# Altium PCB PCB_PEEB.pcbdoc
Units mm, origin at the board's own origin, x right, y up, seen from the top; angles counter-clockwise.
Board outline 301.74 x 183.36 mm, 2 copper layers (Top Layer, Bottom Layer); 99 components, 77 nets, 226 pads, 40 vias.
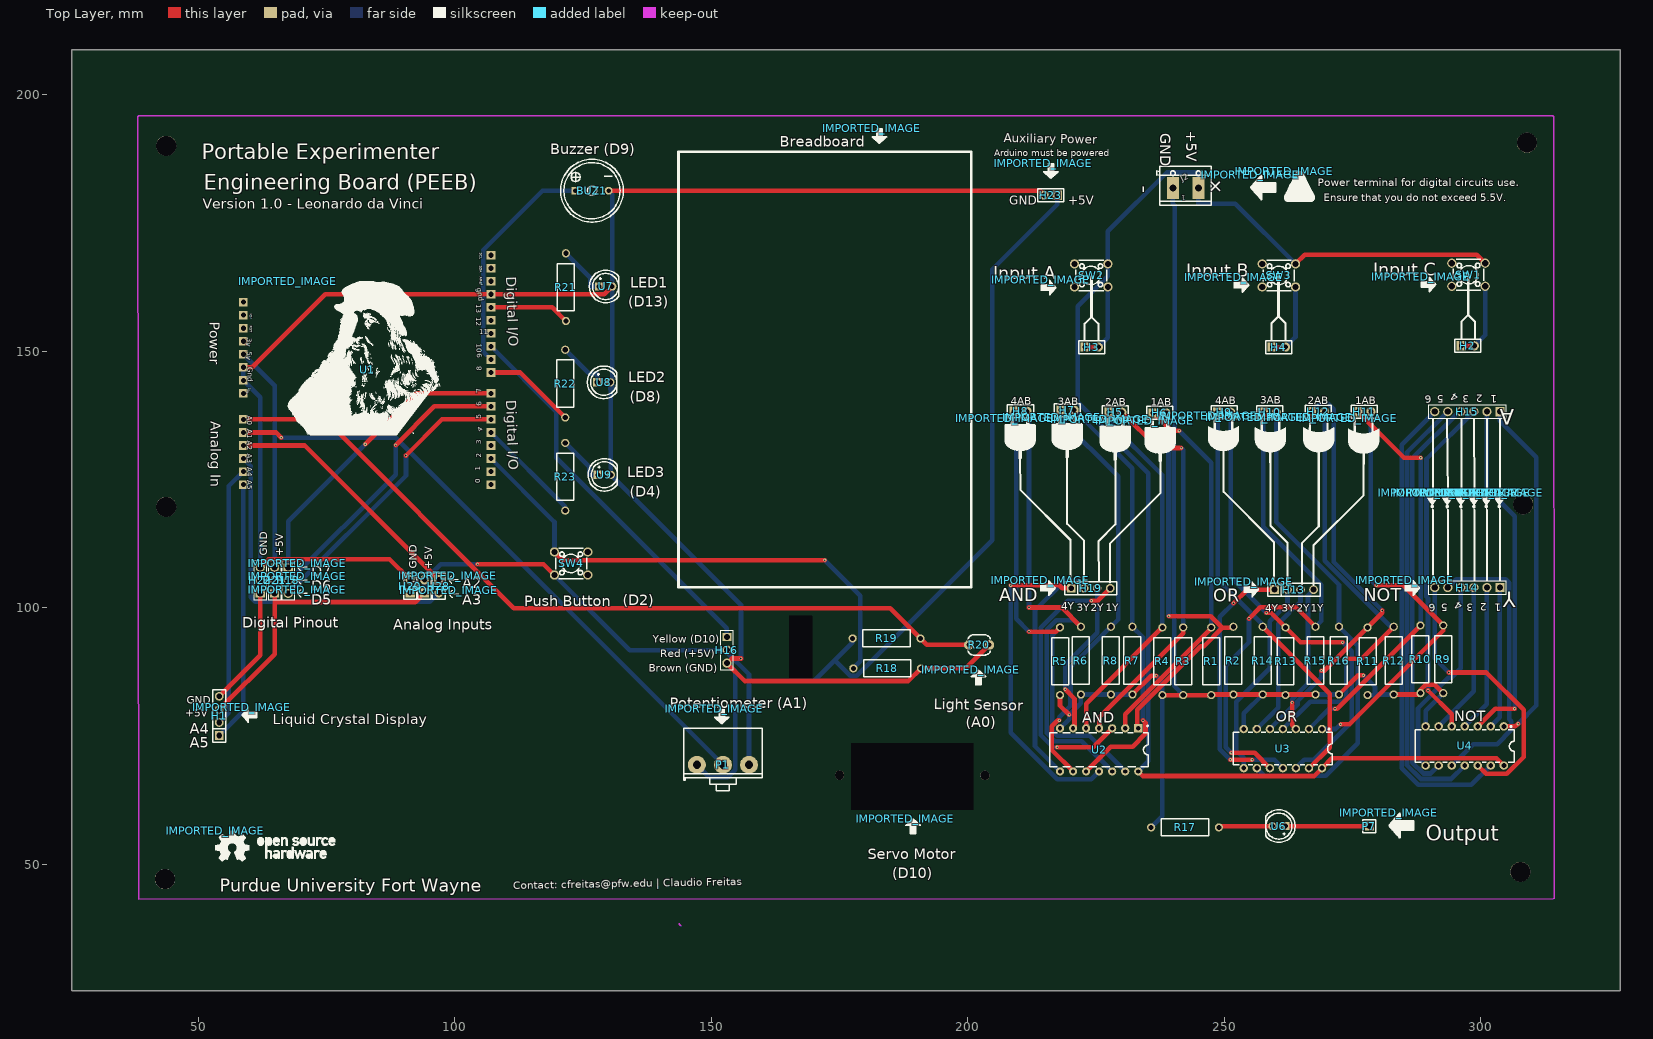
[diagram p0: Top Layer view]
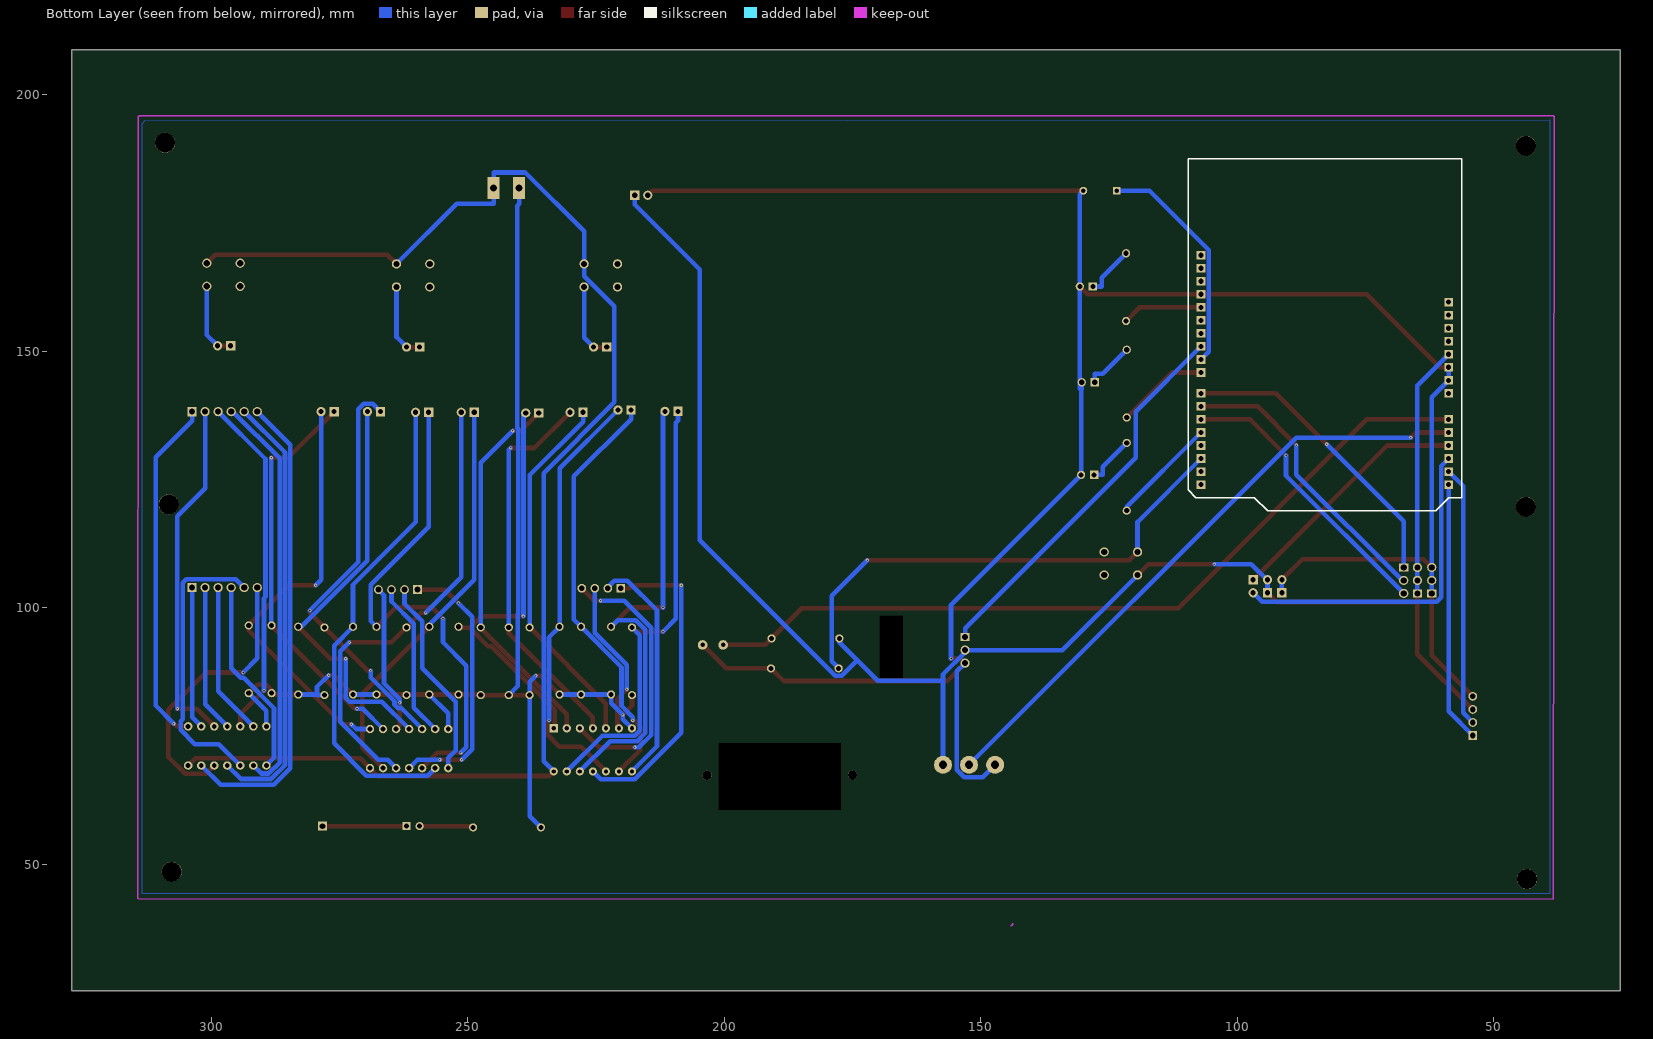
[diagram p1: Bottom Layer view, seen from below]

## Layer stack, top to bottom
Top Layer: signal copper (thickness not stored)
Dielectric: dielectric 0.32, FR-4, Dk 4.8
Bottom Layer: signal copper (thickness not stored)

## Board outline
327.137,25.4 25.4,25.4 25.4,208.758 327.137,208.758
cut-out: 177.311,73.611 177.311,60.657 201.06,60.53 201.06,73.611
cut-out: 165.246,98.503 165.246,86.438 169.691,86.438 169.691,98.503

## Components (designator, comment, footprint, x,y, rotation, side; value= is the part's Value field where it differs from the comment)
BUZ1 "CHENZJ1:BUZZER_12X9.5RM6.5" BUZ-TH_BD12.0-P6.50-D0.6_SEA-1285F 126.765,181.307 r0 top
H1 "Header-Male-2.54_1x4" HDR-TH_4P-P2.54-V-M 54.121,78.945 r90 top
H2 "Header-Male-2.54_1x2" HDR-TH_2P-P2.54-V-M-1 297.453,151.081 r0 top
H3 "Header-Male-2.54_1x2" HDR-TH_2P-P2.54-V-M-1 224.174,150.827 r0 top
H4 "Header-Male-2.54_1x2" HDR-TH_2P-P2.54-V-M-1 260.623,150.827 r0 top
H5 "Header-Male-2.54_1x2" HDR-TH_2P-P2.54-V-M-1 228.774,138.119 r0 top
H6 "Header-Male-2.54_1x2" HDR-TH_2P-P2.54-V-M-1 237.41,137.992 r0 top
H7 "Header-Male-2.54_1x2" HDR-TH_2P-P2.54-V-M-1 219.424,138.563 r0 top
H8 "Header-Male-2.54_1x2" HDR-TH_2P-P2.54-V-M-1 210.28,138.309 r0 top
H9 "Header-Male-2.54_1x2" HDR-TH_2P-P2.54-V-M-1 249.983,138.119 r0 top
H10 "Header-Male-2.54_1x2" HDR-TH_2P-P2.54-V-M-1 258.873,138.119 r0 top
H11 "Header-Male-2.54_1x2" HDR-TH_2P-P2.54-V-M-1 277.288,138.246 r0 top
H12 "Header-Male-2.54_1x2" HDR-TH_2P-P2.54-V-M-1 268.271,138.246 r0 top
H13 "Header-Male-2.54_1x4_C59481" HDR-TH_4P-P2.54-V-M 263.572,103.575 r0 top
H14 "Header-Male-2.54_1x6" HDR-TH_6P-P2.54-V-M-1 297.354,103.956 r180 top
H15 "Header-Male-2.54_1x6" HDR-TH_6P-P2.54-V-M-1 297.354,138.246 r180 top
H16 "Servo Connection" HDR-TH_3P-P2.54-V-M-1 153.054,91.772 r270 top
H17 "Analog-GND1" HDR-TH_2P-P2.54-V-M-1 94.126,104.218 r90 top
H18 "Digital Header 2" HDR-TH_3P-P2.54-V-M-1 67.583,105.361 r270 top
H19 "Header-Male-2.54_1x4_C59481" HDR-TH_4P-P2.54-V-M 223.948,103.829 r0 top
H20 "Analog-GND2" HDR-TH_2P-P2.54-V-M-1 91.332,104.218 r90 top
H21 "Vcc header" HDR-TH_3P-P2.54-V-M-1 64.916,105.361 r90 top
H22 "GND header 3" HDR-TH_3P-P2.54-V-M-1 62.122,105.361 r90 top
H23 "Header-Male-2.54_1x2" HDR-TH_2P-P2.54-V-M-1 216.173,180.418 r180 top
H28 "Analog-Male-2.54_1x2" HDR-TH_2P-P2.54-V-M-1 96.92,104.218 r270 top
IMPORTED_IMAGE "IMPORTED_IMAGE" IMPORTED_IMAGE 246.828,137.42 r0 top
IMPORTED_IMAGE "IMPORTED_IMAGE" IMPORTED_IMAGE 207.209,136.997 r0 top
IMPORTED_IMAGE "IMPORTED_IMAGE" IMPORTED_IMAGE 289.514,122.472 r0 top
IMPORTED_IMAGE "IMPORTED_IMAGE" IMPORTED_IMAGE 216.376,137.166 r0 top
IMPORTED_IMAGE "IMPORTED_IMAGE" IMPORTED_IMAGE 225.726,136.722 r0 top
IMPORTED_IMAGE "IMPORTED_IMAGE" IMPORTED_IMAGE 234.489,136.468 r0 top
IMPORTED_IMAGE "IMPORTED_IMAGE" IMPORTED_IMAGE 255.972,137.166 r0 top
IMPORTED_IMAGE "IMPORTED_IMAGE" IMPORTED_IMAGE 265.39,137.17 r0 top
IMPORTED_IMAGE "IMPORTED_IMAGE" IMPORTED_IMAGE 274.153,136.916 r0 top
IMPORTED_IMAGE "IMPORTED_IMAGE" IMPORTED_IMAGE 292.435,122.472 r0 top
IMPORTED_IMAGE "IMPORTED_IMAGE" IMPORTED_IMAGE 297.642,122.472 r0 top
IMPORTED_IMAGE "IMPORTED_IMAGE" IMPORTED_IMAGE 295.102,122.472 r0 top
IMPORTED_IMAGE "IMPORTED_IMAGE" IMPORTED_IMAGE 300.055,122.472 r0 top
IMPORTED_IMAGE "IMPORTED_IMAGE" IMPORTED_IMAGE 302.595,122.472 r0 top
IMPORTED_IMAGE "IMPORTED_IMAGE" IMPORTED_IMAGE 214.245,163.909 r0 top
IMPORTED_IMAGE "IMPORTED_IMAGE" IMPORTED_IMAGE 251.837,164.417 r0 top
IMPORTED_IMAGE "IMPORTED_IMAGE" IMPORTED_IMAGE 288.286,164.544 r0 top
IMPORTED_IMAGE "IMPORTED_IMAGE" IMPORTED_IMAGE 53.372,56.599 r0 top
IMPORTED_IMAGE "IMPORTED_IMAGE" IMPORTED_IMAGE 69.304,103.584 r0 top
IMPORTED_IMAGE "IMPORTED_IMAGE" IMPORTED_IMAGE 69.304,106.124 r0 top
IMPORTED_IMAGE "IMPORTED_IMAGE" IMPORTED_IMAGE 69.304,108.664 r0 top
IMPORTED_IMAGE "IMPORTED_IMAGE" IMPORTED_IMAGE 98.698,106.25 r0 top
IMPORTED_IMAGE "IMPORTED_IMAGE" IMPORTED_IMAGE 98.825,103.456 r0 top
IMPORTED_IMAGE "IMPORTED_IMAGE" IMPORTED_IMAGE 67.458,163.675 r0 top
IMPORTED_IMAGE "IMPORTED_IMAGE" IMPORTED_IMAGE 261.643,185.12 r0 top
IMPORTED_IMAGE "IMPORTED_IMAGE" IMPORTED_IMAGE 255.075,184.442 r0 top
IMPORTED_IMAGE "IMPORTED_IMAGE" IMPORTED_IMAGE 282.007,60.073 r0 top
IMPORTED_IMAGE "IMPORTED_IMAGE" IMPORTED_IMAGE 181.272,193.475 r0 top
IMPORTED_IMAGE "IMPORTED_IMAGE" IMPORTED_IMAGE 200.576,87.938 r0 top
IMPORTED_IMAGE "IMPORTED_IMAGE" IMPORTED_IMAGE 150.564,80.365 r0 top
IMPORTED_IMAGE "IMPORTED_IMAGE" IMPORTED_IMAGE 187.85,58.934 r0 top
IMPORTED_IMAGE "IMPORTED_IMAGE" IMPORTED_IMAGE 58.487,80.596 r0 top
IMPORTED_IMAGE "IMPORTED_IMAGE" IMPORTED_IMAGE 214.699,186.664 r0 top
IMPORTED_IMAGE "IMPORTED_IMAGE" IMPORTED_IMAGE 214.118,105.362 r0 top
IMPORTED_IMAGE "IMPORTED_IMAGE" IMPORTED_IMAGE 253.742,105.108 r0 top
IMPORTED_IMAGE "IMPORTED_IMAGE" IMPORTED_IMAGE 285.111,105.362 r0 top
J2 "CON_TERMINAL_BLOCK_02-5MM" TERMINAL_BLOCK_2P_5 242.462,181.815 r0 top
P1 "10k" POTENTIOMETER 152.292,69.42 r0 top
P7 "Header-Male-2.54_1x1" HDR-TH_1P-P2.54-V-M 278.276,57.482 r0 top
R1 "10kΩ" RES-TH_BD3.3-L9.2-P13.20-D0.6 247.443,89.605 r270 top
R2 "10kΩ" RES-TH_BD3.3-L9.2-P13.20-D0.6 251.761,89.732 r90 top
R3 "10kΩ" RES-TH_BD3.3-L9.2-P13.20-D0.6 241.982,89.605 r90 top
R4 "10kΩ" RES-TH_BD3.3-L9.2-P13.20-D0.6 237.918,89.605 r90 top
R5 "10kΩ" RES-TH_BD3.3-L9.2-P13.20-D0.6 217.979,89.605 r270 top
R6 "10kΩ" RES-TH_BD3.3-L9.2-P13.20-D0.6 222.043,89.732 r270 top
R7 "10kΩ" RES-TH_BD3.3-L9.2-P13.20-D0.6 232.076,89.732 r270 top
R8 "10kΩ" RES-TH_BD3.3-L9.2-P13.20-D0.6 227.885,89.732 r270 top
R9 "10kΩ" RES-TH_BD3.3-L9.2-P13.20-D0.6 292.655,89.986 r90 top
R10 "10kΩ" RES-TH_BD3.3-L9.2-P13.20-D0.6 288.21,89.986 r90 top
R11 "10kΩ" RES-TH_BD3.3-L9.2-P13.20-D0.6 277.923,89.605 r90 top
R12 "10kΩ" RES-TH_BD3.3-L9.2-P13.20-D0.6 283.003,89.732 r90 top
R13 "10kΩ" RES-TH_BD3.3-L9.2-P13.20-D0.6 261.921,89.605 r270 top
R14 "10kΩ" RES-TH_BD3.3-L9.2-P13.20-D0.6 257.476,89.732 r270 top
R15 "10kΩ" RES-TH_BD3.3-L9.2-P13.20-D0.6 267.763,89.732 r270 top
R16 "10kΩ" RES-TH_BD3.3-L9.2-P13.20-D0.6 272.335,89.732 r270 top
R17 "220" RES-TH_BD3.3-L9.2-P13.20-D0.6 242.335,57.228 r0 top
R18 "10kΩ" RES-TH_BD3.3-L9.2-P13.20-D0.6 184.296,88.216 r0 top
R19 "10kΩ" RES-TH_BD3.3-L9.2-P13.20-D0.6 184.169,94.058 r0 top
R20 "PHOTOCELLPTH-KIT" PHOTOCELL-KIT 202.203,92.788 r0 top
R21 "220" RES-TH_BD3.3-L9.2-P13.20-D0.6 121.685,162.511 r90 top
R22 "220" RES-TH_BD3.3-L9.2-P13.20-D0.6 121.558,143.715 r90 top
R23 "220" RES-TH_BD3.3-L9.2-P13.20-D0.6 121.558,125.554 r90 top
SW1 "TC-6610-6-260G" SW-TH_4P-L6.0-W6.0-P4.50-LS6.5 297.58,164.924 r0 top
SW2 "TC-6610-6-260G" SW-TH_4P-L6.0-W6.0-P4.50-LS6.5 224.047,164.797 r0 top
SW3 "TC-6610-6-260G" SW-TH_4P-L6.0-W6.0-P4.50-LS6.5 260.623,164.797 r0 top
SW4 "TC-6610-6-260G" SW-TH_4P-L6.0-W6.0-P4.50-LS6.5 122.701,108.663 r180 top
U1 "ARDUINOR3" ARDUINOR3-BPLACE 82.95,146.382 r270 top
U2 "SN74HC08N" DIP-14_L19.2-W6.6-P2.54-LS10.9-BL 225.599,72.333 r180 top
U3 "SN74HC32N" DIP-14 261.413,72.587 r180 top
U4 "SN74HC04N" DIP-14 296.846,73.095 r180 top
U6 "SFH 313 FA-2/3" LED-TH_BD5.8-P2.54-FD 260.623,57.482 r180 top
U7 "SFH 313 FA-2/3" LED-TH_BD5.8-P2.54-FD 129.432,162.638 r0 top
U8 "SFH 313 FA-2/3" LED-TH_BD5.8-P2.54-FD 129.051,143.969 r0 top
U9 "SFH 313 FA-2/3" LED-TH_BD5.8-P2.54-FD 129.178,125.935 r0 top

## Footprints (in the part's own frame and the unit in brackets; to place one, negate y for a bottom-side part, rotate by r counter-clockwise, add the part's x,y. Pads: shape width x height; smd on the part's side, far side on the other; paste and mask are expansions set on the pad)
ARDUINOR3-BPLACE [mil]
  rect 66x66 hole 39.4 paste+0 mask+2: 3V(-220,-950) 5V(-120,-950) A0(380,-950) A1(480,-950) A2(580,-950) A3(680,-950) A4(780,-950) A5(880,-950) AREF(-680,950) D0(880,950) D1(780,950) D2(680,950) D3(580,950) D4(480,950) D5(380,950) D6(280,950) D7(180,950) D8(20,950) D9(-80,950) D10(-180,950) D11(-280,950) D12(-380,950) D13(-480,950) GND(-580,950) GND1(80,-950) GND2(-20,-950) IOREF(-420,-950) RESERVED(-520,-950) RESET(-320,-950) SCL(-880,950) SDA(-780,950) VIN(180,-950)
BUZ-TH_BD12.0-P6.50-D0.6_SEA-1285F [mil]
  rect 60x60 hole 36 paste+0 mask+1.97: 1(-127.95,0)
  round 60 hole 36 paste+0 mask+1.97: 2(127.95,0)
  silkscreen extent -241,-241 241,241
DIP-14 [mm]
  round 1.65 hole 0.95 paste+0 mask+0.051: 1(-7.62,-3.81) 2(-5.08,-3.81) 3(-2.54,-3.81) 4(0,-3.81) 5(2.54,-3.81) 6(5.08,-3.81) 7(7.62,-3.81) 8(7.62,3.81) 9(5.08,3.81) 10(2.54,3.81) 11(0,3.81) 12(-2.54,3.81) 13(-5.08,3.81) 14(-7.62,3.81)
  silkscreen extent -9.65,-3.96 9.65,3.17
DIP-14_L19.2-W6.6-P2.54-LS10.9-BL [mil]
  rect 63x63 hole 32 paste+0 mask+2: 1(-300,-165.35)
  round 63 hole 32 paste+0 mask+2: 2(-200,-165.35) 3(-100,-165.35) 4(0,-165.35) 5(100,-165.35) 6(200,-165.35) 7(300,-165.35) 8(300,165.35) 9(200,165.35) 10(100,165.35) 11(0,165.35) 12(-100,165.35) 13(-200,165.35) 14(-300,165.35)
  silkscreen extent -378,-189 378,130
HDR-TH_1P-P2.54-V-M [mm]
  rect 1.7x1.7 hole 1.1 paste+0 mask+0.051: 1(0,0)
  silkscreen extent -1.27,-1.27 1.27,1.27
HDR-TH_2P-P2.54-V-M-1 [mm]
  rect 1.8x1.8 hole 1 paste+0 mask+0.051: 1(-1.27,0)
  round 1.8 hole 1 paste+0 mask+0.051: 2(1.27,0)
  silkscreen extent -2.54,-1.27 2.54,1.27
HDR-TH_3P-P2.54-V-M-1 [mm]
  rect 1.575x1.8 hole 1.2 paste+0 mask+0.051: 1(-2.54,0)
  round 1.8 hole 1.2 paste+0 mask+0.051: 2(0,0) 3(2.54,0)
  silkscreen extent -3.81,-1.27 3.81,1.27
HDR-TH_4P-P2.54-V-M [mm]
  rect 1.7x1.7 hole 1.1 paste+0 mask+0.051: 1(-3.81,0)
  round 1.7 hole 1.1 paste+0 mask+0.051: 2(-1.27,0) 3(1.27,0) 4(3.81,0)
  silkscreen extent -5.08,-1.27 5.08,1.27
HDR-TH_6P-P2.54-V-M-1 [mm]
  rect 1.8x1.8 hole 1.2 paste+0 mask+0.051: 1(-6.35,0)
  round 1.8 hole 1.2 paste+0 mask+0.051: 2(-3.81,0) 3(-1.27,0) 4(1.27,0) 5(3.81,0) 6(6.35,0)
  silkscreen extent -7.62,-1.27 7.62,1.27
IMPORTED_IMAGE [mm]
  silkscreen extent 0,-9 6,0
LED-TH_BD5.8-P2.54-FD [mm]
  rect 1.6x1.6 hole 1 paste+0 mask+0.051: 1(-1.27,0)
  round 1.6 hole 1 paste+0 mask+0.051: 2(1.27,0)
  silkscreen extent -3.17,-3.17 2.54,3.17
PHOTOCELL-KIT [mil]
  round 74 hole 35.4 paste+0 mask+2: 1(-79,0) 2(79,0)
  silkscreen extent -87,-79 87,79
POTENTIOMETER [mm]
  round 3.5 hole 1.6 paste+0 mask+0.051: 1(5.08,0) 2(0,0) 3(-5.08,0)
  silkscreen extent -7.62,-5.08 7.62,7.11
RES-TH_BD3.3-L9.2-P13.20-D0.6 [mm]
  round 1.6 hole 1 paste+0 mask+0.051: 1(-6.6,0) 2(6.6,0)
  silkscreen extent -4.6,-1.65 4.6,1.65
SW-TH_4P-L6.0-W6.0-P4.50-LS6.5 [mm]
  round 1.8 hole 1.2 paste+0 mask+0.051: 1(-3.25,2.25) 2(3.25,2.25) 3(-3.25,-2.25) 4(3.25,-2.25)
  silkscreen extent -3,-3 3,3
TERMINAL_BLOCK_2P_5 [mm]
  rect 2.38x4.285 hole 1.402 paste+0 mask+0.051: 1(2.489,0) 2(-2.489,0)
  silkscreen extent -5.59,-3.3 5,4.22

## Free pads (board coordinates)
  round 3.92 hole 3.92 unplated paste+0: ""(43.546,47.161) ""(43.8,119.678) ""(43.8,190.036) ""(307.706,48.558) ""(308.214,120.186) ""(308.976,190.671)
  round 1.8 hole 1.8 unplated paste+0: ""(175.025,67.388) ""(203.346,67.388)

## Via types
v1: diameter 0.61, hole 0.305, Top Layer to Bottom Layer, tented both sides, 40 vias

## Nets (pads, with @x,y where several pads share a name; then routed paths per layer and width w, separated by ;. In a path a pad name is that pad's centre, name@x,y a point inside that pad or via, vN(x,y) a via of type N, cw(c..) or ccw(c..) an arc to the next point about the centre after c; other vN are vias at no path point)
+5V: H1.3 H16.2 H17.1 H17.2 H21.1 H21.2 H21.3 H23.1 P1.1 R19.1 SW4.2 U1.5V | length 340.1
  Top Layer w0.9: H1.3@54.121,80.214 64.916,91.009 64.916,101.143 ; H21.1@64.916,102.82 64.916,101.143 ; H17.1@94.126,102.947 92.321,101.143 64.916,101.143 ; v1(104.466,108.545) 117.319,108.545 SW4.2
  Bottom Layer w0.9: U1.5V@58.82,149.429 64.916,143.333 64.916,107.9 64.916,105.36 H21.1@64.916,102.82 ; H17.1@94.126,102.947 H17.2@94.126,104.782 ; H17.2@94.126,105.487 H17.2@94.126,104.782 ; v1(104.466,108.545) 97.273,108.545 94.126,105.398 H17.2@94.126,104.782 ; SW4.2 134.092,91.771 153.054,91.771 153.054,91.399 157.372,87.081 157.372,85.833 ; P1.1@157.372,69.419 157.372,85.833 ; R19.1 177.569,93.312 174.055,89.797 ; H23.1@217.443,180.417 217.443,178.617 204.78,165.954 204.78,113.182 178.377,86.779 177.073,86.779 174.055,89.797 ; 157.372,85.833 170.091,85.833 174.055,89.797
A0: R19.2 R20.1 U1.A0 | length 159.6
  Top Layer w0.9: U1.A0@58.82,136.729 74.791,136.729 111.555,99.965 184.861,99.965 R19.2 192.039,92.787 R20.1@200.196,92.787
A1: P1.2 U1.A1 | length 120.3
  Top Layer w0.9: U1.A1@58.82,134.189 65.227,134.189 v1(66.22,133.196)
  Bottom Layer w0.9: v1(66.22,133.196) 88.515,133.196 P1.2@152.292,69.419
A2: H28.1 U1.A2 | length 48.9
  Top Layer w0.9: U1.A2@58.82,131.649 70.758,131.649 H28.1@96.92,105.487
A3: H28.2 U1.A3 | length 65.4
  Bottom Layer w0.9: U1.A3@58.82,129.109 60.278,127.652 60.278,102.082 61.15,101.21 95.183,101.21 H28.2@96.92,102.947
A4: H1.2 U1.A4 | length 50.8
  Bottom Layer w0.9: H1.2@54.121,77.674 56.016,79.57 56.016,123.766 U1.A4@58.82,126.569
A5: H1.1 U1.A5 | length 50.8
  Bottom Layer w0.9: H1.1@54.121,75.134 58.82,79.833 U1.A5@58.82,124.029
D2: R18.1 SW4.4 U1.D2 | length 101.2
  Top Layer w0.9: SW4.4 121.039,109.325 v1(172.132,109.325)
  Bottom Layer w0.9: U1.D2@107.08,129.109 119.451,116.738 SW4.4 ; v1(172.132,109.325) 179.067,102.39 179.067,89.587 R18.1
D4: R23.1 U1.D4 | length 21.2
  Bottom Layer w0.9: U1.D4@107.08,134.189 121.558,119.711 R23.1@121.558,118.954
D5: H18.3 U1.D5 | length 55.9
  Top Layer w0.9: v1(90.516,129.706) 97.54,136.729 U1.D5@107.08,136.729
  Bottom Layer w0.9: H18.3@67.583,102.82 90.516,125.753 v1(90.516,129.706)
D6: H18.2 U1.D6 | length 56.9
  Top Layer w0.9: v1(88.49,131.731) 96.029,139.269 U1.D6@107.08,139.269
  Bottom Layer w0.9: H18.2@67.583,105.36 67.884,105.36 88.49,125.967 v1(88.49,131.731)
D7: H18.1 U1.D7 | length 58.8
  Top Layer w0.9: v1(82.573,131.893) 92.49,141.809 U1.D7@107.08,141.809
  Bottom Layer w0.9: H18.1@67.583,107.9 67.583,116.903 v1(82.573,131.893)
D8: R22.1 U1.D8 | length 18.1
  Top Layer w0.9: U1.D8@107.08,145.873 112.799,145.873 R22.1@121.558,137.115
D9: BUZ1.1 U1.D9 | length 44.7
  Bottom Layer w0.9: U1.D9@107.08,148.413 105.556,149.938 105.556,169.745 117.117,181.306 BUZ1.1
D10: H16.1 U1.D10 | length 75.7
  Bottom Layer w0.9: U1.D10@107.08,150.953 119.791,138.243 119.791,129.263 153.054,96 H16.1@153.054,94.311
D13: R21.1 U1.D13 | length 15.7
  Top Layer w0.9: U1.D13@107.08,158.573 119.022,158.573 R21.1@121.685,155.911
GND: BUZ1.2 H1.4 H16.3 H20.1 H20.2 H22.1 H22.2 H22.3 H23.2 P1.3 R18.2 R20.2 U1.GND U1.GND1 U1.GND2 U7.2 U8.2 U9.2 | length 459.3
  Top Layer w0.9: H1.4@54.121,82.754 62.122,90.755 H22.1@62.122,102.82 ; U1.GND2@58.82,146.889 60.559,146.889 74.783,161.113 107.08,161.113 129.178,161.113 U7.2@130.702,162.637 ; H22.3@62.122,107.9 63.728,109.507 87.313,109.507 H20.2@91.332,105.487 ; BUZ1.2 214.014,181.306 H23.2@214.903,180.417 ; v1(155.796,90.147) 153.97,90.147 153.054,89.231 156.536,85.75 188.43,85.75 R18.2 199.638,88.215 R20.2@204.21,92.787
  Bottom Layer w0.9: U1.GND2@58.82,146.889 58.82,144.349 62.122,141.047 62.122,107.9 62.122,105.36 H22.1@62.122,102.82 ; H20.1@91.332,102.947 H20.2@91.332,105.487 ; BUZ1.2 130.702,180.619 130.702,162.637 130.702,142.749 130.448,142.495 ; U8.2@130.321,143.968 130.321,142.622 130.448,142.495 ; P1.3@147.212,69.419 149.62,67.012 153.245,67.012 154.659,68.426 154.659,87.627 H16.3@153.054,89.231 ; v1(155.796,90.147) 155.796,100.586 130.448,125.934 130.448,142.495
GND_DC: J2.2 R1.2 R2.1 R3.1 R4.1 R5.2 R6.2 R7.2 R8.2 R9.1 R10.1 R11.1 R12.1 R13.2 R14.2 R15.2 R16.2 R17.1 U2.7 U3.7 U4.7 | length 238.2
  Top Layer w0.9: R5.2 217.979,80.922 v1(219.746,79.155) ; R7.2 235.75,86.805 v1(236.704,86.805) ; R4.1 R3.1 247.443,83.005 247.57,83.132 R2.1 R14.2 261.794,83.132 R13.2 262.048,83.132 R15.2 ; R16.2 276.082,86.878 v1(277.088,86.879) ; R12.1 287.956,83.132 R10.1 288.21,84 289.232,85.022 291.019,85.022 R9.1
  Bottom Layer w0.9: U2.7 219.746,78.3 v1(219.746,79.155) 222.043,81.452 R6.2 R8.2 R7.2 ; R17.1@235.735,57.227 237.918,59.41 R4.1 237.918,85.59 v1(236.704,86.805) ; J2.2@239.973,181.814 239.973,178.771 240.366,178.378 240.366,135.136 240.168,134.938 240.168,98.867 240.207,98.829 240.207,84.78 R3.1 ; U3.7@253.793,76.397 253.793,79.449 R14.2 ; R15.2 R16.2 ; v1(277.088,86.879) 279.355,84.611 279.355,83.132 ; R11.1 279.228,83.005 279.355,83.132 ; R12.1 279.355,83.132 ; U4.7@289.226,76.905 289.226,79.957 R9.1
H2_1: H2.1 H2.2 SW1.4 | length 15
  Top Layer w0.9: H2.1@296.184,151.08 H2.2 H2.2@298.724,151.08
  Bottom Layer w0.9: H2.2@298.724,151.08 300.83,153.187 SW1.4
H3_1: H3.1 H3.2 SW2.4 | length 15
  Top Layer w0.9: H3.1@222.904,150.826 H3.2
  Bottom Layer w0.9: H3.2@225.444,150.826 227.297,152.679 SW2.4
H4_1: H4.1 H4.2 SW3.4 | length 15.1
  Top Layer w0.9: H4.1@259.353,150.826 H4.2
  Bottom Layer w0.9: H4.2@261.893,150.826 263.873,152.806 SW3.4
P7_1: P7.1 U6.1 | length 16.4
  Top Layer w0.9: U6.1@261.893,57.481 P7.1@278.276,57.481
R21_2: R21.2 U7.1 | length 10.2
  Bottom Layer w0.9: R21.2@121.685,169.11 126.461,164.334 126.461,162.637 U7.1@128.162,162.637
R22_2: R22.2 U8.1 | length 9.8
  Bottom Layer w0.9: R22.2@121.558,150.314 126.203,145.669 127.781,145.669 U8.1@127.781,143.968
R23_2: R23.2 U9.1 | length 9.8
  Bottom Layer w0.9: R23.2@121.558,132.153 126.207,127.504 126.207,125.934 U9.1@127.908,125.934
S$30: 
S$32: 
S$34: 
S$36: 
S$38: 
S$37930: 
S$37937: 
S$37944: 
S$37951: 
S$47252: 
S$47259: 
S$47343: 
S$47347: 
S$47501: 
U2_1: H6.2 R2.2 U2.1 | length 80.4
  Top Layer w0.9: U2.1 232.999,76.753 232.999,80.119 245.398,92.519 246.036,92.519 249.628,96.111 ; v1(239.153,98.392) 247.346,98.392 249.628,96.111 ; R2.2 251.54,96.111 249.628,96.111
  Bottom Layer w0.9: H6.2 239.114,137.558 239.114,98.431 v1(239.153,98.392)
U2_2: H6.1 R1.1 U2.2 | length 74
  Top Layer w0.9: U2.2 230.679,79.29 247.443,96.054 R1.1 ; H6.1 239.63,134.502 v1(241.222,134.502)
  Bottom Layer w0.9: v1(241.222,134.502) 247.443,128.28 R1.1
U2_3: H19.4 U2.3 | length 54
  Top Layer w0.9: v1(217.399,72.844) 224.451,72.844 U2.3 ; v1(224.079,101.401) 225.331,101.401 H19.4
  Bottom Layer w0.9: v1(217.399,72.844) 216.631,72.844 214.24,75.235 214.24,96.15 219.491,101.401 v1(224.079,101.401)
U2_4: H5.2 R3.2 U2.4 | length 76
  Top Layer w0.9: U2.4 225.599,78.675 241.982,95.058 R3.2 ; H5.2 236.993,131.17 v1(241.633,131.17)
  Bottom Layer w0.9: v1(241.633,131.17) 241.982,130.821 R3.2
U2_5: H5.1 R4.2 U2.5 | length 72.1
  Top Layer w0.9: U2.5 223.059,81.346 R4.2
  Bottom Layer w0.9: H5.1 227.504,136.318 237.918,125.904 R4.2
U2_6: H19.3 U2.6 | length 30.8
  Top Layer w0.9: v1(218.963,84.152) 220.8,82.315 220.8,76.813 U2.6
  Bottom Layer w0.9: v1(218.963,84.152) 218.963,88.9 225.218,95.155 H19.3
U2_8: H19.2 U2.8 | length 46.1
  Bottom Layer w0.9: U2.8 213.094,73.018 213.094,99.513 218.864,105.283 221.408,105.283 222.678,104.013 H19.2
U2_9: H7.1 R8.1 U2.9 | length 82.3
  Top Layer w0.9: v1(217.822,78.083) 217.523,78.083 216.345,76.905 216.345,72.307 U2.9
  Bottom Layer w0.9: v1(217.822,78.083) 217.822,78.721 220.017,80.916 220.017,88.463 R8.1 229.29,97.736 229.29,125.627 218.154,136.762 H7.1@218.154,138.563
U2_10: H7.2 R7.1 U2.10 | length 83.5
  Top Layer w0.9: U2.10 227.88,72.953 232.116,72.953 234.623,75.46 234.623,77.604 v1(234.144,78.083)
  Bottom Layer w0.9: H7.2@220.694,138.563 232.076,127.181 R7.1 234.145,94.263 v1(234.144,78.083)
U2_11: H19.1 U2.11 | length 62.4
  Top Layer w0.9: v1(208.376,104.41) 217.806,104.41 218.387,103.829 H19.1
  Bottom Layer w0.9: v1(208.376,104.41) 208.376,75.677 217.454,66.599 224.066,66.599 U2.11
U2_12: H8.2 R6.1 U2.12 | length 94
  Top Layer w0.9: v1(211.938,100.092) 218.283,100.092 R6.1
  Bottom Layer w0.9: H8.2@211.55,138.309 211.938,137.921 v1(211.938,100.092) ; R6.1 220.757,97.618 217.222,97.618 215.381,95.777 215.381,75.617 216.957,74.041 222.231,74.041 U2.12
U2_13: H8.1 R5.1 U2.13 | length 88.8
  Top Layer w0.9: v1(211.938,95.383) 217.158,95.383 R5.1
  Bottom Layer w0.9: H8.1@209.01,138.309 209.01,136.508 209.43,136.088 209.43,97.891 v1(211.938,95.383) ; R5.1 216.464,94.69 216.464,76.055 217.425,75.095 223.717,75.095 U2.13
U3_1: H11.2 R9.2 U3.1 | length 83.1
  Top Layer w0.9: v1(272.669,77.328) 274.386,77.328 292.656,95.597 R9.2 284.831,104.41 v1(279.623,104.41)
  Bottom Layer w0.9: U3.1@269.033,76.397 271.737,76.397 v1(272.669,77.328) ; H11.2@278.558,138.246 278.558,105.475 v1(279.623,104.41)
U3_2: H11.1 R10.2 U3.2 | length 78.8
  Top Layer w0.9: v1(271.559,80.337) 272.037,80.337 288.21,96.51 R10.2 ; H11.1 285.003,129.261 v1(288.266,129.261)
  Bottom Layer w0.9: U3.2@266.493,76.397 270.434,80.337 v1(271.559,80.337) ; R10.2 288.266,96.641 v1(288.266,129.261)
U3_3: H13.4 U3.3 | length 29.2
  Top Layer w0.9: v1(263.196,81.55) 263.196,77.154 U3.3@263.953,76.397
  Bottom Layer w0.9: v1(263.196,81.55) 263.196,82.21 266.296,85.31 266.296,102.489 H13.4
U3_4: H12.2 R12.2 U3.4 | length 82.1
  Top Layer w0.9: v1(273.762,90.083) 276.755,90.083 R12.2
  Bottom Layer w0.9: U3.4@261.413,76.397 266.744,81.728 273.024,81.728 273.762,82.466 v1(273.762,90.083) ; H12.2@269.541,138.246 269.541,109.207 282.417,96.332 R12.2
U3_5: H12.1 R11.2 U3.5 | length 81.4
  Top Layer w0.9: v1(268.913,87.789) 269.508,87.789 R11.2 280.742,99.023 v1(280.742,99.496)
  Bottom Layer w0.9: U3.5@258.873,76.397 262.973,80.496 263.633,80.496 264.25,81.114 264.25,81.773 268.913,86.436 v1(268.913,87.789) ; H12.1 268.51,139.754 270.257,139.754 271.296,138.715 271.296,108.942 v1(280.742,99.496)
U3_6: H13.3 U3.6 | length 30.7
  Bottom Layer w0.9: U3.6@256.333,76.397 260.483,80.546 260.483,96.898 264.842,101.258 H13.3
U3_8: H13.2 U3.8 | length 39.5
  Bottom Layer w0.9: U3.8@253.793,68.777 253.793,70.763 252.35,72.206 252.35,81.735 258.88,88.265 258.88,97.42 262.302,100.842 H13.2
U3_9: H10.2 R16.1 U3.9 | length 94
  Bottom Layer w0.9: U3.9@256.333,68.777 257.786,67.324 269.757,67.324 276.029,73.596 276.029,92.638 R16.1 272.335,104.55 260.143,116.742 H10.2@260.143,138.119
U3_10: H10.1 R15.1 U3.10 | length 99.6
  Top Layer w0.9: v1(251.323,71.742) 255.908,71.742 U3.10@258.873,68.777 ; v1(254.805,97.906) 257.023,100.125 263.97,100.125 R15.1
  Bottom Layer w0.9: v1(251.323,71.742) 250.24,72.825 250.24,88.71 254.805,93.275 v1(254.805,97.906) ; H10.1 257.603,115.779 268.879,104.503 268.879,97.447 R15.1
U3_11: H13.1 U3.11 | length 52.5
  Top Layer w0.9: v1@251.164,70.411 v1(255.396,70.411) ; v1(251.78,100.931) 254.424,103.575 H13.1
  Bottom Layer w0.9: v1@251.164,70.411 249.12,72.455 249.12,98.27 v1(251.78,100.931) ; v1(255.396,70.411) 259.779,70.411 U3.11@261.413,68.777
  other v1: 251.164,70.411
U3_12: H9.2 R13.1 U3.12 | length 90
  Top Layer w0.9: v1(258.199,99.03) 259.096,99.03 R13.1 264.833,93.293 v1(273.048,93.293)
  Bottom Layer w0.9: H9.2@251.253,138.119 251.253,105.975 v1(258.199,99.03) ; U3.12@263.953,68.777 265.598,70.422 267.432,70.422 274.817,77.806 274.817,91.525 v1(273.048,93.293)
U3_13: H9.1 R14.1 U3.13 | length 80
  Top Layer w0.9: R14.1 270.505,83.303 270.505,72.788 U3.13@266.493,68.777
  Bottom Layer w0.9: H9.1 248.713,105.488 257.476,96.725 R14.1
U4_1: H15.1 U4.1 | length 68.2
  Top Layer w0.9: U4.1@304.467,76.905 306.72,76.905 v1(307.238,77.423)
  Bottom Layer w0.9: H15.1 303.705,136.445 310.805,129.345 310.805,80.989 v1(307.238,77.423)
U4_2: H14.1 U4.2 | length 27.8
  Bottom Layer w0.9: U4.2@301.927,76.905 303.705,78.683 H14.1
U4_3: H15.2 U4.3 | length 68.8
  Top Layer w0.9: U4.3@299.387,76.905 302.819,80.337 v1(306.573,80.337)
  Bottom Layer w0.9: H15.2 301.165,123.304 306.573,117.895 v1(306.573,80.337)
U4_4: H14.2 U4.4 | length 28.8
  Bottom Layer w0.9: U4.4@296.847,76.905 301.165,81.223 H14.2
U4_5: H15.3 U4.5 | length 67.2
  Top Layer w0.9: v1(289.691,83.897) 294.307,79.282 U4.5@294.307,76.905
  Bottom Layer w0.9: v1(289.691,83.897) 289.691,101.852 289.39,102.152 289.39,129.012 H15.3
U4_6: H14.3 U4.6 | length 29.9
  Bottom Layer w0.9: U4.6@291.766,76.905 298.625,83.763 H14.3
U4_8: H14.4 U4.8 | length 39.1
  Bottom Layer w0.9: U4.8@289.226,69.285 287.732,70.779 287.732,80.448 293.637,86.354 294.19,86.354 296.085,88.248 H14.4
U4_9: H15.4 U4.9 | length 79.1
  Bottom Layer w0.9: U4.9@291.766,69.285 290.221,67.74 288.745,67.74 286.655,69.83 286.655,129.141 295.76,138.246 H15.4
U4_10: H14.5 U4.10 | length 56.3
  Bottom Layer w0.9: H14.5 295.176,105.587 304.82,105.587 305.519,104.889 305.519,78.334 305.935,77.919 305.935,76.222 303.164,73.453 298.475,73.453 U4.10@294.307,69.285
U4_11: H15.5 U4.11 | length 85.6
  Bottom Layer w0.9: H15.5 285.601,130.302 285.601,69.315 288.247,66.669 294.231,66.669 U4.11@296.847,69.285
U4_12: H14.6 U4.12 | length 55.4
  Top Layer w0.9: v1(293.753,87.408) 301.048,87.408 308.343,80.115 308.343,70.954 305.059,67.67 301,67.67 U4.12@299.387,69.285
  Bottom Layer w0.9: H14.6 291.004,90.157 v1(293.753,87.408)
U4_13: H15.6 U4.13 | length 92.5
  Bottom Layer w0.9: H15.6 284.547,131.788 284.547,68.743 287.781,65.509 298.15,65.509 U4.13@301.927,69.285
U6_2: R17.2 U6.2 | length 10.5
  Top Layer w0.9: R17.2@248.935,57.227 249.189,57.481 U6.2@259.353,57.481
VCC_DC: J2.1 SW1.2 SW2.2 SW3.2 U2.14 U3.14 U4.14 | length 278.5
  Top Layer w0.9: U2.14 234.106,67.246 267.502,67.246 269.033,68.777 270.97,70.713 303.037,70.713 U4.14@304.467,69.285 ; SW3.2 265.669,168.842 299.161,168.842 SW1.2
  Bottom Layer w0.9: U2.14 235.198,70.112 235.198,126.269 221.4,140.067 221.4,158.776 227.297,164.673 SW2.2 227.297,173.384 238.77,184.858 244.951,184.858 244.951,181.814 244.951,178.771 252.148,178.771 SW3.2
pads on no net: SW1.1 SW1.3 SW2.1 SW2.3 SW3.1 SW3.3 SW4.1 SW4.3 U1.3V U1.AREF U1.D0 U1.D1 U1.D3 U1.D11 U1.D12 U1.IOREF U1.RESERVED U1.RESET U1.SCL U1.SDA U1.VIN

## Polygon pours and split planes (outlines as drawn)
GND on Bottom Layer (solid): 39.135,195.15 39.135,44.274 313.455,44.274 313.455,194.388 312.947,194.896

## Keep-outs
Keep-Out Layer:
  lines w0.254: 38.227,195.531 cw(c38.627,195.531) 38.627,195.931 ; 143.763,38.5 ccw(c144.163,38.5) 144.163,38.1 ; 313.826,195.931 cw(c313.826,195.531) 314.226,195.531

## Silkscreen, mask and mechanical layers (free items; w line width, h text height)
Top Overlay:
  lines w0.4 net S$47252: 210.204,129.237 210.232,123.006 220.011,113.227 220.011,105.48 220.012,105.099 ; 237.537,129.102 237.537,122.371 227.758,112.592 227.73,104.98 ; 249.856,128.467 249.856,122.625 259.635,112.846 259.635,105.099 ; 267.382,104.464 267.382,112.211 277.161,121.99 277.161,127.832 ; 227.73,104.98 227.73,105.107 227.73,104.98
  lines w0.4 net S$47259: 219.348,129.491 219.376,116.402 222.678,113.1 222.678,105.099 ; 225.571,105.107 225.472,112.973 228.774,116.275 228.746,129.11 ; 259,128.594 259,116.021 262.302,112.719 262.302,104.718 ; 265.096,104.591 265.096,112.592 268.398,115.894 268.398,128.467
  lines w0.4 net S$47343: 290.623,121.99 290.623,136.722 ; 293.417,136.722 293.544,121.99 ; 296.211,121.99 296.211,136.722 ; 298.624,136.722 298.751,121.99 ; 301.164,121.99 301.164,136.722 ; 303.704,121.99 303.704,136.722
  lines w0.4 net S$47347: 290.623,105.353 290.623,119.069 ; 293.544,105.353 293.544,119.069 ; 296.211,105.353 296.211,119.069 ; 298.751,105.353 298.751,119.069 ; 301.164,105.353 301.164,119.069 ; 303.704,105.353 303.704,119.069
  lines w0.4 net S$47501: 222.777,152.097 222.777,155.399 224.047,156.669 224.047,164.543 ; 224.174,164.543 224.174,156.669 225.444,155.399 225.444,152.097 ; 259.226,152.224 259.226,155.526 260.496,156.796 260.496,164.67 ; 260.623,164.67 260.623,156.796 261.893,155.526 261.893,152.224 ; 296.183,152.478 296.183,155.78 297.453,157.05 297.453,164.924 ; 297.58,164.924 297.58,157.05 298.85,155.78 298.85,152.478
  lines w0.5 net S$37930: 143.632,108.512 143.632,188.903
  lines w0.5 net S$37937: 143.632,104.067 143.632,108.512
  lines w0.5 net S$37944: 143.632,104.067 200.655,104.067
  lines w0.5 net S$37951: 143.632,188.903 200.655,188.903 200.655,104.067
  text "+5V" at 242.589,192.991 h2.03 r270
  text "GND" at 237.509,192.483 h2.03 r270
  text "Auxiliary Power" at 207.014,190.744 h1.7 r359
  text "Breadboard" at 163.317,189.918 h2.03
  text "Buzzer (D9)" at 118.637,188.419 h2.03
  text "Arduino must be powered" at 205.124,188.023 h1.3
  text "Portable Experimenter" at 50.692,187.427 h3
  text "Power terminal for digital circuits use." at 268.243,182.208 h1.5
  text "+" at 250.373,181.831 h3 r135
  text "Engineering Board (PEEB)" at 51.073,181.458 h3
  text "-" at 235.318,180.77 h3 r90
  text "Ensure that you do not exceed 5.5V." at 269.386,179.21 h1.4
  text "GND" at 208.045,178.552 h1.7
  text "+5V" at 219.602,178.552 h1.7
  text "Version 1.0 - Leonardo da Vinci" at 50.946,177.767 h2
  text "Input C" at 279.038,164.69 h2.5
  text "Input B" at 242.589,164.563 h2.5
  text "Input A" at 204.997,164.055 h2.5
  text "LED1" at 134.258,162.384 h2.03
  text "(D13)" at 133.877,158.701 h2.03
  text "Power" at 52.232,155.78 h2 r270
  text "LED2" at 133.877,143.969 h2.03
  text "2" at 300.402,141.536 h1.5 r180
  text "6" at 290.304,141.406 h1.5 r185
  text "5" at 292.782,141.409 h1.5 r180
  text "3" at 297.735,141.409 h1.5 r180
  text "1" at 303.196,141.409 h1.5 r180
  text "4" at 295.752,141.273 h1.5 r145
  text "(D8)" at 134.131,140.159 h2.03
  text "3AB" at 256.968,139.782 h1.5
  text "4AB" at 248.205,139.655 h1.5
  text "2AB" at 266.239,139.655 h1.5
  text "1AB" at 275.51,139.655 h1.5
  text "4AB" at 208.375,139.591 h1.5
  text "3AB" at 217.519,139.464 h1.5
  text "2AB" at 226.742,139.401 h1.5
  text "1AB" at 235.632,139.401 h1.5
  text "A" at 306.498,138.73 h3 r180
  text "LED3" at 133.623,125.427 h2.03
  text "(D4)" at 134.131,121.617 h2.03
  text "GND" at 63.507,110.187 h1.5 r90
  text "+5V" at 66.555,110.06 h1.5 r90
  text "GND" at 92.59,107.647 h1.5 r90
  text "+5V" at 95.638,107.52 h1.5 r90
  text "D7" at 72.028,106.123 h2.03
  text "A2" at 101.492,103.837 h2.03
  text "D6" at 72.028,103.329 h2.03
  text "Y" at 306.752,103.17 h3 r180
  text "AND" at 206.14,101.317 h2.5
  text "NOT" at 277.133,101.317 h2.5
  text "OR" at 247.796,101.19 h2.5
  text "2" at 301.164,100.896 h1.5 r180
  text "6" at 291.066,100.766 h1.5 r185
  text "5" at 293.544,100.769 h1.5 r180
  text "3" at 298.497,100.769 h1.5 r180
  text "1" at 303.958,100.769 h1.5 r180
  text "D5" at 72.028,100.662 h2.03
  text "A3" at 101.492,100.662 h2.03
  text "4" at 296.514,100.633 h1.5 r145
  text "(D2)" at 132.734,100.535 h2.03
  text "Push Button" at 113.557,100.281 h2.03
  text "4Y" at 218.233,99.65 h1.5
  text "3Y" at 221.281,99.396 h1.5
  text "2Y" at 223.948,99.396 h1.5
  text "1Y" at 226.869,99.396 h1.5
  text "4Y" at 257.984,99.269 h1.5
  text "3Y" at 261.159,99.269 h1.5
  text "2Y" at 264.08,99.269 h1.5
  text "1Y" at 266.874,99.269 h1.5
  text "Digital Pinout" at 58.566,96.09 h2.03
  text "Analog Inputs" at 88.03,95.709 h2.03
  text "Yellow (D10)" at 138.576,93.181 h1.5
  text "Red (+5V)" at 140.1,90.387 h1.5
  text "Brown (GND)" at 137.814,87.593 h1.5
  text "GND" at 47.771,81.37 h1.5
  text "Potentiometer (A1)" at 141.878,80.469 h2.03
  text "Light Sensor" at 193.321,80.262 h2.03 r359
  text "+5V" at 47.517,78.83 h1.5
  text "NOT" at 294.814,77.921 h2.03
  text "OR" at 260.016,77.794 h2.03
  text "AND" at 222.297,77.667 h2.03
  text "Liquid Crystal Display" at 64.535,77.31 h2
  text "(A0)" at 199.562,76.706 h2.03
  text "A4" at 48.406,75.516 h2.03
  text "A5" at 48.406,72.722 h2.03
  text "Output" at 289.297,54.592 h3
  text "Servo Motor" at 180.486,51.005 h2.03
  text "(D10)" at 185.312,47.322 h2.03
  text "Contact: cfreitas@pfw.edu | Claudio Freitas" at 111.411,45.175 h1.5 r1
  text "Purdue University Fort Wayne" at 54.248,44.675 h2.5

## Text inside footprints (layer, text, board x,y; h text height)
J2: Top Overlay "1" at 242.335,180.291 h0.76 r180
U1: Top Overlay "RST" at 60.09,155.018 h0.51 r270; Top Overlay "3v" at 59.594,152.666 h1 r263; Top Overlay "5v" at 59.594,150.049 h1 r263; Top Overlay "Gnd" at 59.717,146.89 h1 r270; Top Overlay "Vin" at 59.864,142.865 h0.51 r243; Top Overlay "Analog In" at 52.486,136.349 h2 r270; Top Overlay "A0" at 59.59,137.492 h1 r270; Top Overlay "A1" at 59.59,134.825 h1 r270; Top Overlay "A2" at 59.59,132.539 h1 r270; Top Overlay "A3" at 59.59,129.999 h1 r270; Top Overlay "A4" at 59.59,127.459 h1 r270; Top Overlay "A5" at 59.59,124.919 h1 r270; Top Overlay "ARef" at 104.921,164.543 h0.51 r270; Top Overlay "gnd" at 104.3,162.305 h1 r279; Top Overlay "13" at 104.167,159.209 h1 r270; Top Overlay "12" at 104.167,156.669 h1 r270; Top Overlay "11" at 104.794,153.375 h1; Top Overlay "10" at 104.294,151.462 h1 r270; Top Overlay "9" at 105.419,148.711 h1 r95; Top Overlay "8" at 105.294,146.255 h1 r90; Top Overlay "7" at 105.285,142.032 h1 r101; Top Overlay "6" at 105.292,139.44 h1 r95; Top Overlay "5" at 105.167,136.857 h1 r90; Top Overlay "4" at 105.071,134.15 h1 r54; Top Overlay "3" at 105.167,131.904 h1 r90; Top Overlay "2" at 105.167,129.237 h1 r90; Top Overlay "1" at 105.04,126.697 h1 r90; Top Overlay "0" at 105.04,124.284 h1 r90; Top Overlay "Digital I/O" at 110.018,164.508 h2 r272; Top Overlay "Digital I/O" at 110.018,140.505 h2 r272; Top Overlay "SCL" at 104.921,169.242 h0.51 r270; Top Overlay "SDA" at 104.921,166.702 h0.51 r270; Top Overlay "IOr" at 60.09,157.304 h0.51 r270